# Altium PCB CPU_CARD.pcbdoc (part 10 of 10) (continued)
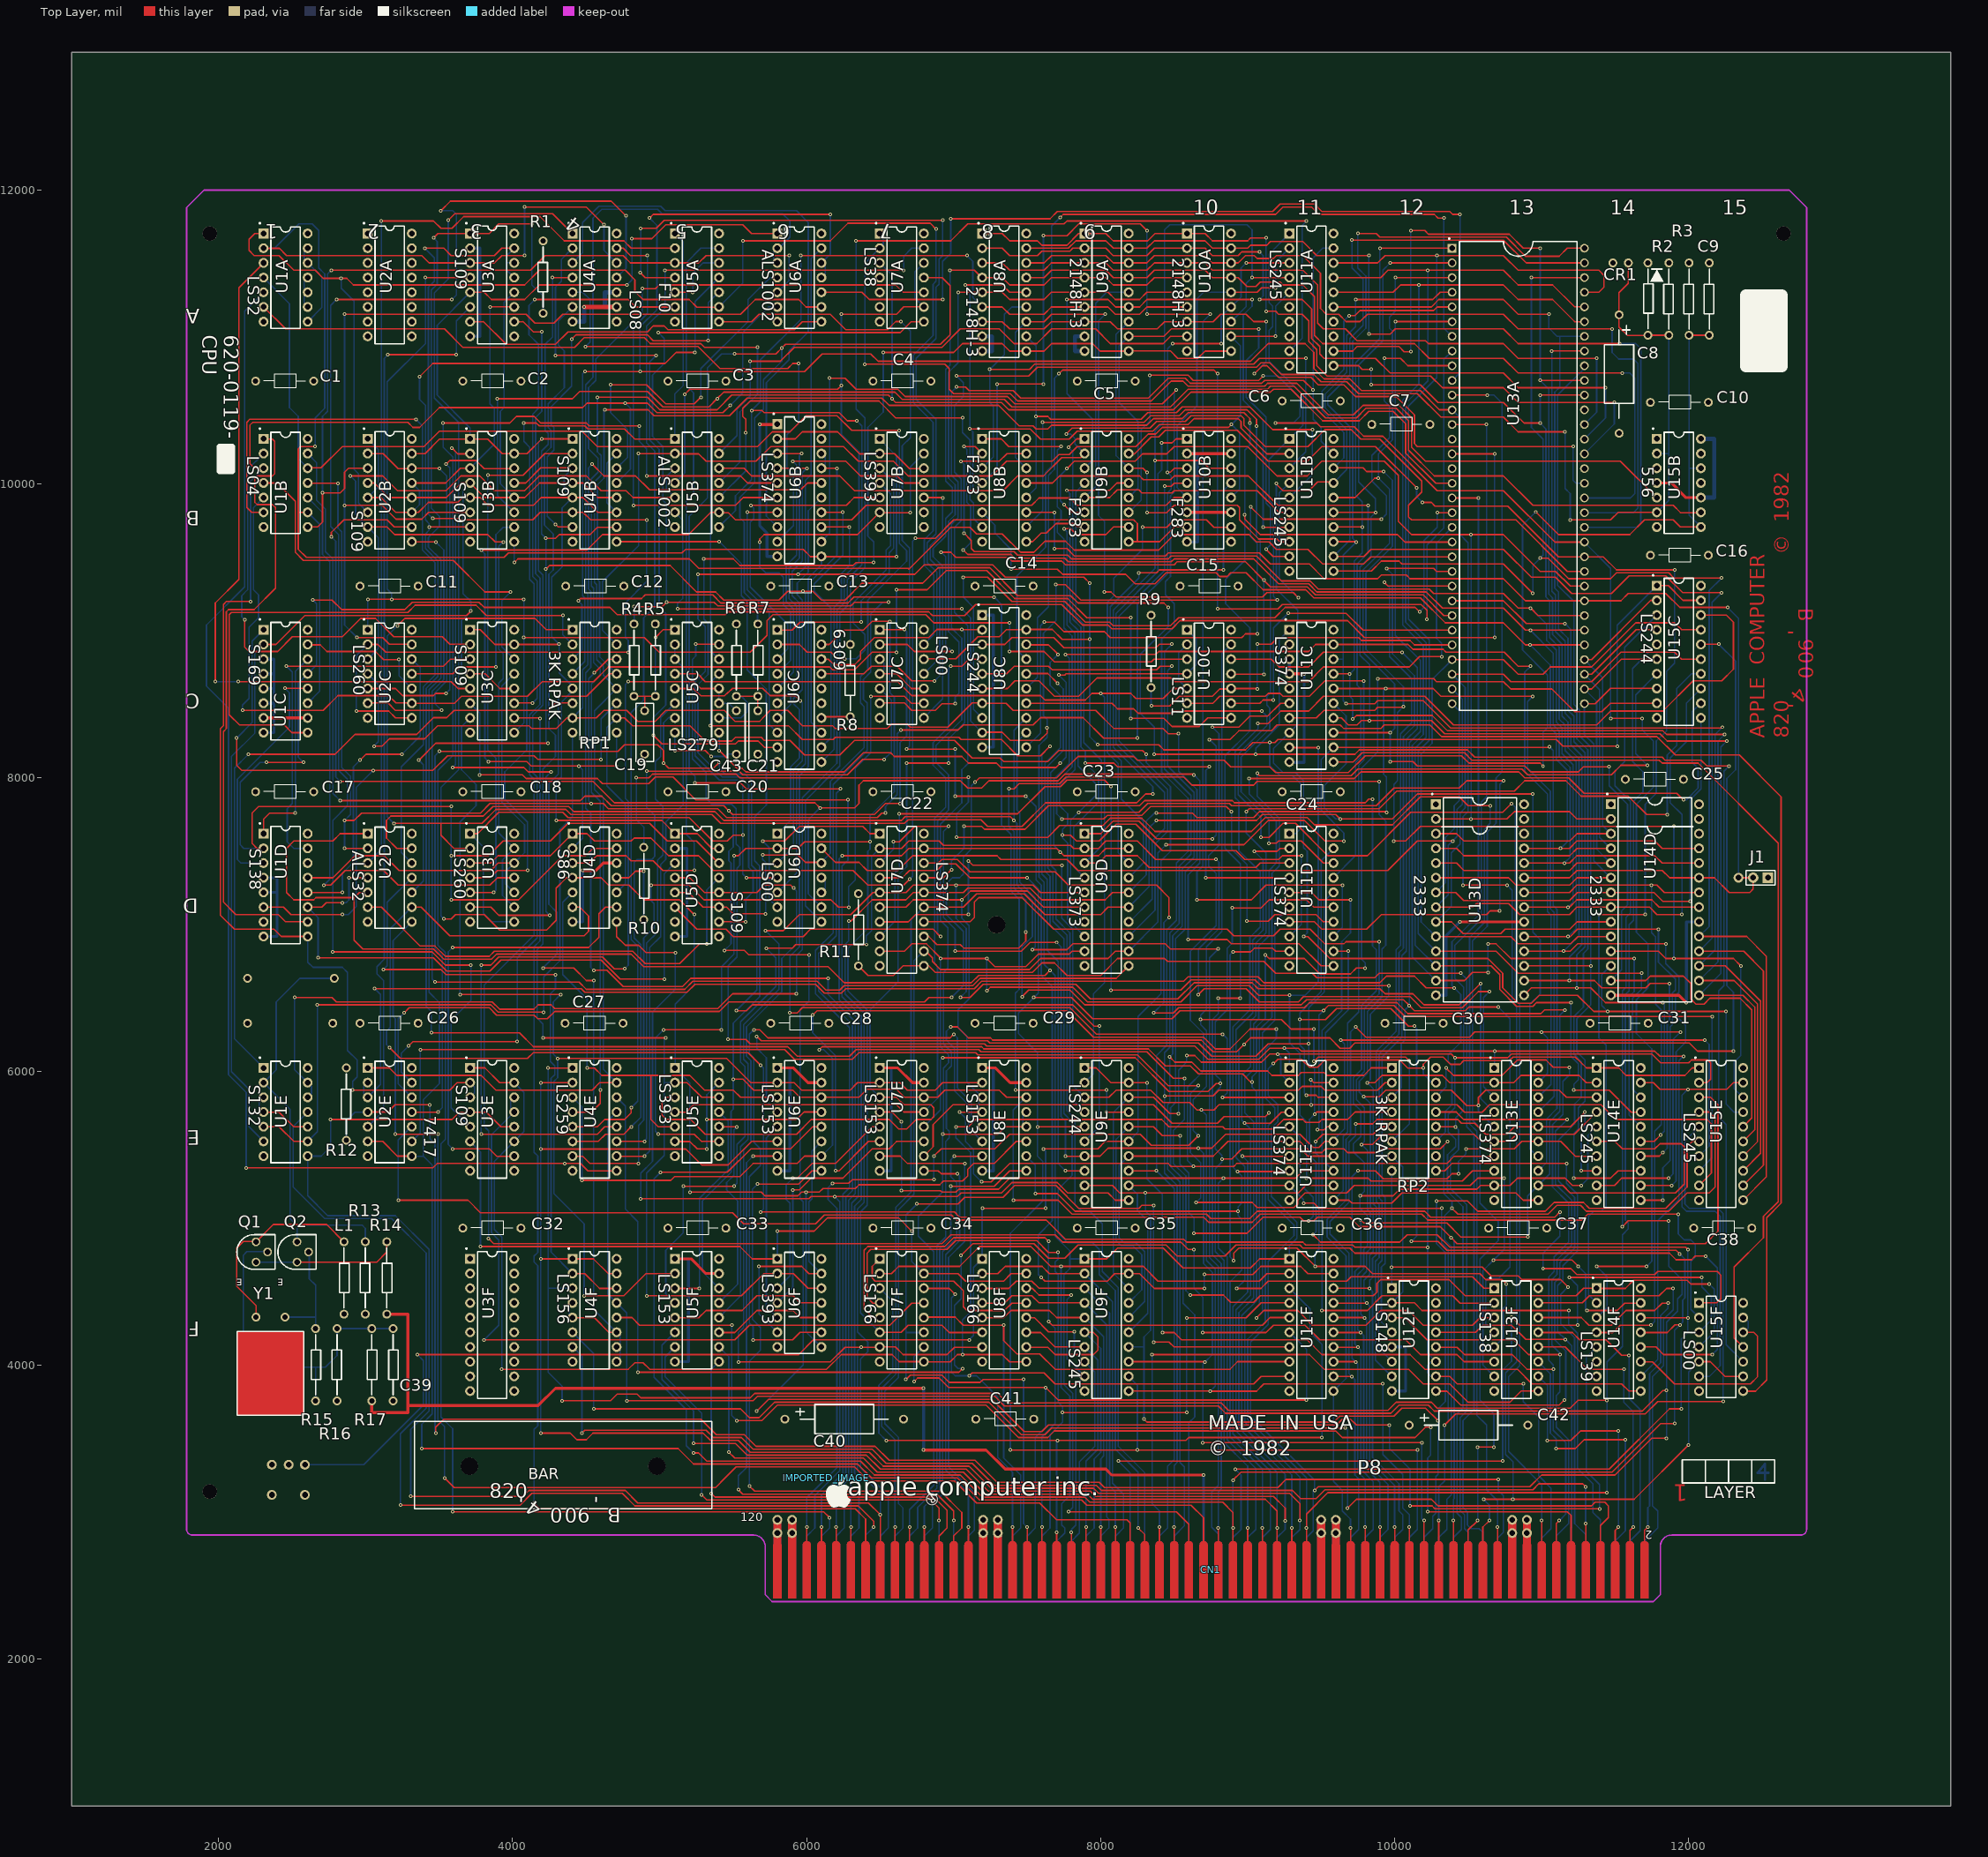
[diagram p0: Top Layer view]
## Nets (pads, with @x,y where several pads share a name; then routed paths per layer and width w, separated by ;. In a path a pad name is that pad's centre, name@x,y a point inside that pad or via, vN(x,y) a via of type N, cw(c..) or ccw(c..) an arc to the next point about the centre after c; other vN are vias at no path point) (continued)
  Bottom Layer w10: U11B.12@9585.62,9504.29 9696.7,9615.4 9696.7,10387.2 9546.7,10537.2 9546.7,10587.2 9696.7,10737.2 9696.7,10987.2 9786.7,11077.2 9786.7,11392.2 9711.7,11467.2 v1(9711.7,11657.2) ; U14D.18@12073.02,6817.29 12161.7,6905.97 12161.7,9192.2 v1(12226.7,9257.2)
UD7: U11B.11 U13A.62 U14D.19 U15E.11 | length 10116
  Top Layer w10: U11B.11@9585.62,9404.29 9843.8,9404.3 9911.7,9472.2 10031.7,9472.2 10051.7,9452.2 10741.7,9452.2 v1(10941.7,9252.2) ; v1(10931.7,11402.2) 11292.44,11402.2 U13A.62@11292.71,11401.93 ; v1(10991.7,9492.2) 11046.7,9492.2 11186.7,9352.2 11471.7,9352.2 11511.7,9392.2 11866.7,9392.2 11901.7,9357.2 v1(12226.7,9357.2) ; U14D.19@12073.02,6917.29 12396.7,6917.29 12531.7,6782.29 12531.7,5281.48 U15E.11@12373.02,5122.8
  Bottom Layer w10: v1(10931.7,11402.2) 10931.7,10382.2 11011.7,10302.2 11011.7,9512.2 v1(10991.7,9492.2) 10941.7,9442.2 v1(10941.7,9252.2) ; U14D.19@12073.02,6917.29 12141.7,6985.97 12141.7,9272.2 v1(12226.7,9357.2)
UD8: U11A.18 U13A.61 U13D.11 U14E.18 | length 9453.2
  Top Layer w10: U11A.18@9585.62,11501.92 9886.42,11501.92 9936.7,11552.2 v1(10288.9,11552.2) 10741.7,11552.2 10841.7,11452.2 11391.7,11452.2 11426.7,11417.2 11426.7,11337.2 11391.7,11302.2 U13A.61@11292.71,11301.93 ; U13D.11@10282.47,6817.2 10691.7,6817.2 10841.7,6667.2 v1(11681.7,6667.2)
  Bottom Layer w10: U13D.11@10282.47,6817.2 10161.7,6938 10161.7,8177.2 10236.7,8252.2 10236.7,8937.2 10096.7,9077.2 10096.7,10527.2 10288.9,10719.4 v1(10288.9,11552.2) ; U14E.18@11676.17,5822.8 11621.7,5877.3 11621.7,6497.2 11681.7,6557.2 v1(11681.7,6667.2)
UD9: U11A.17 U13A.60 U13D.12 U14E.17 | length 9023.2
  Top Layer w10: U11A.17@9585.62,11401.92 9906.7,11402.2 9956.7,11452.2 v1(10227.88,11452.2) 10741.7,11452.2 10841.7,11352.2 11076.7,11352.2 11226.7,11202.2 U13A.60@11292.71,11201.93 ; U13D.12@10282.47,6717.2 10656.7,6717.2 10716.7,6657.2 10716.7,6557.2 10831.7,6442.2 10941.7,6442.2 10966.7,6467.2 v1(11201.7,6467.2) ; v1(11221.7,5872.2) 11461.7,5872.2 11611.7,5722.2 U14E.17@11676.17,5722.8
  Bottom Layer w10: v1(10227.88,11452.2) 10227.9,10698.4 10076.7,10547.2 10076.7,9057.2 10216.7,8917.2 10216.7,8272.2 10141.7,8197.2 10141.7,6858 U13D.12@10282.47,6717.2 ; v1(11201.7,6467.2) 11201.7,6102.2 11251.7,6052.2 11251.7,5942.2 11221.7,5912.2 v1(11221.7,5872.2)
UD10: U11A.16 U13A.59 U13D.13 U14E.16 | length 9567.8
  Top Layer w10: U11A.16@9585.62,11301.92 9991.7,11302.2 10041.7,11352.2 10741.7,11352.2 10841.7,11252.2 11076.7,11252.2 11226.7,11102.2 U13A.59@11292.71,11101.93 ; U13D.13@10282.47,6617.2 10476.7,6617.2 10531.7,6672.2 v1(10636.7,6672.2) ; v1(10636.7,6867.2) 10691.7,6867.2 10791.7,6767.2 v1(11631.7,6767.2)
  Bottom Layer w10: v1(10166.7,11352.2) 10166.7,10677.2 10056.7,10567.2 10056.7,9037.2 10196.7,8897.2 10196.7,8292.2 10121.7,8217.2 10121.7,6778 U13D.13@10282.47,6617.2 ; v1(10636.7,6672.2) v1(10636.7,6867.2) ; v1(11631.7,6767.2) 11631.7,6542.2 11596.7,6507.2 11596.7,5702.3 U14E.16@11676.17,5622.8
UD11: U11A.15 U13A.58 U13D.15 U14E.15 | length 8518.6
  Top Layer w10: U11A.15@9585.62,11201.92 10251.4,11201.9 10301.7,11252.2 10741.7,11252.2 10841.7,11152.2 v1(11051.7,11152.2) ; U13D.15@10882.47,6517.2 10932.47,6567.2 v1(11241.7,6567.2) 11336.7,6567.2 11436.7,6467.2 v1(11826.7,6467.2) ; U14E.15@11676.17,5522.8 11767.3,5522.8 v1(11811.7,5567.2)
  Bottom Layer w10: v1(11051.7,11152.2) 11051.7,11057.2 11106.7,11002.2 11106.7,11001.93 U13A.58@11292.71,11001.93 ; 11125.4,11001.9 11125.4,10655.9 11091.7,10622.2 11091.7,9287.2 11116.7,9262.2 11116.7,9012.2 11181.7,8947.2 11181.7,8457.2 11221.7,8417.2 11221.7,8242.2 11296.7,8167.2 11296.7,6847.2 11241.7,6792.2 v1(11241.7,6567.2) ; v1(11811.7,5567.2) 11836.7,5592.2 11836.7,6457.2 v1(11826.7,6467.2)
UD12: U13A.57 U13D.16 U14E.14 | length 6977.9
  Top Layer w10: U13D.16@10882.47,6617.2 v1(11191.7,6617.2) 11361.7,6617.2 11411.7,6567.2 11711.7,6567.2 11741.7,6597.2 v1(11871.7,6597.2) ; v1(11071.7,10902.2) 11292.44,10902.2 U13A.57@11292.71,10901.93 ; U14E.14@11676.17,5422.8 11802.3,5422.8 v1(11826.7,5447.2)
  Bottom Layer w10: v1(11071.7,10902.2) 11071.7,9267.2 11095.6,9243.3 11095.6,8993.3 11161.7,8927.2 11161.7,8437.2 11201.7,8397.2 11201.7,8222.2 11276.7,8147.2 11276.7,6862.2 11191.7,6777.2 v1(11191.7,6617.2) ; v1(11826.7,5447.2) 11856.7,5477.2 11856.7,6327.2 11871.7,6342.2 v1(11871.7,6597.2)
UD13: U13A.56 U13D.17 U14E.13 | length 6720.5
  Top Layer w10: U13D.17@10882.47,6717.2 v1(11336.7,6717.2) ; v1(11221.7,5272.2) 11471.7,5272.2 11521.7,5322.2 U14E.13@11676.17,5322.8
  Bottom Layer w10: v1(11221.7,5272.2) 11221.7,5577.2 11251.7,5607.2 11251.7,5752.2 11296.7,5797.2 11296.7,6077.2 11241.7,6132.2 11241.7,6357.2 11336.7,6452.2 v1(11336.7,6717.2) 11336.7,8207.2 11261.7,8282.2 11261.7,8457.2 11221.7,8497.2 11221.7,9197.2 11111.7,9307.2 11111.7,10602.2 11292.7,10783.2 U13A.56@11292.71,10801.93
UD14: U11A.12 U13A.55 U13D.18 U14E.12 | length 10503.9
  Top Layer w10: U11A.12@9585.62,10901.92 9716.4,10901.9 9746.7,10932.2 10031.7,10932.2 10066.7,10897.2 v1(10111.7,10897.2) ; v1(10111.7,11722.2) 10206.7,11722.2 10231.7,11697.2 10781.7,11697.2 10876.7,11602.2 v1(10991.7,11602.2) ; U13D.18@10882.47,6817.2 v1(11151.7,6817.2) 11196.7,6817.2 11246.7,6867.2 v1(11846.7,6867.2) ; v1(10991.7,10702.2) 11292.4,10702.2 U13A.55@11292.71,10701.93 ; U14E.12@11676.17,5222.8 11676.8,5222.2 v1(11886.7,5222.2)
  Bottom Layer w10: v1(10111.7,10897.2) v1(10111.7,11722.2) ; v1(10991.7,11602.2) v1(10991.7,10702.2) 11051.7,10642.2 11051.7,9247.2 11076.7,9222.2 11076.7,8972.2 11141.7,8907.2 11141.7,8417.2 11181.7,8377.2 11181.7,8202.2 11256.7,8127.2 11256.7,6922.2 v1(11151.7,6817.2) ; v1(11846.7,6867.2) 11846.7,6732.2 11936.7,6642.2 11936.7,6537.2 11911.7,6512.2 11911.7,6382.2 11981.7,6312.2 11981.7,6197.2 11916.7,6132.2 11916.7,5252.2 v1(11886.7,5222.2)
UD15: U11A.11 U13A.54 U13D.19 U14E.11 | length 8752.8
  Top Layer w10: U11A.11@9585.62,10801.92 9756.7,10802.2 9781.7,10777.2 v1(9841.7,10777.2) ; v1(9841.7,10672.2) 10176.7,10672.2 10296.7,10552.2 10741.7,10552.2 10881.7,10412.2 v1(10991.7,10412.2) ; U13D.19@10882.47,6917.2 v1(11181.7,6917.2) 11196.7,6917.2 11246.7,6967.2 v1(11796.7,6967.2) ; v1(10991.7,10602.2) 11292.44,10602.2 U13A.54@11292.71,10601.93 ; U14E.11@11676.17,5122.8 v1(11826.7,5122.2)
  Bottom Layer w10: v1(9841.7,10672.2) v1(9841.7,10777.2) ; v1(10991.7,10602.2) v1(10991.7,10412.2) 11031.7,10372.2 11031.7,9227.2 11056.7,9202.2 11056.7,8952.2 11121.7,8887.2 11121.7,8397.2 11161.7,8357.2 11161.7,8182.2 11236.7,8107.2 11236.7,6972.2 v1(11181.7,6917.2) ; v1(11796.7,6967.2) 11796.7,6742.2 11911.7,6627.2 11911.7,6552.2 11891.7,6532.2 11891.7,6317.2 11876.7,6302.2 11876.7,5392.2 11826.7,5342.2 v1(11826.7,5122.2)
VA1: U6F.3 U7E.5 | length 1550.4
  Top Layer w10: v1(5906.7,5272.2) 5936.7,5272.2 6036.7,5372.2 6196.7,5372.2 6446.7,5622.2 U7E.5@6498.23,5622.81
  Bottom Layer w10: U6F.3@5801.38,4523.59 5803.1,4523.6 5886.7,4607.2 5886.7,5102.2 5861.7,5127.2 5861.7,5227.2 v1(5906.7,5272.2)
VA2: U6F.4 U7E.11 | length 1840.4
  Top Layer w10: v1(5906.7,5192.2) 5951.7,5192.2 6031.7,5272.2 6246.7,5272.2 6446.7,5472.2 6561.7,5472.2 6611.7,5522.2 U7E.11@6798.23,5522.81
  Bottom Layer w10: U6F.4@5801.38,4423.59 5906.7,4528.92 v1(5906.7,5192.2)
VA3: U6E.5 U6F.5 | length 1361.1
  Bottom Layer w10: U6F.5@5801.38,4323.59 5726.7,4398.3 5726.7,5548.1 U6E.5@5801.38,5622.81
VA4: U6E.11 U6F.6 U6F.13 | length 1916.2
  Top Layer w10: v1(5676.7,4672.2) 5966.7,4672.2 6016.7,4622.2 6099.99,4622.2 U6F.13@6101.38,4623.59
  Bottom Layer w10: v1(5676.7,4672.2) 5676.7,4348.27 U6F.6@5801.38,4223.59 ; U6F.13@6101.38,4623.59 6100.3,4623.6 6016.7,4707.2 6016.7,5112.2 6036.7,5132.2 6036.7,5458.1 U6E.11@6101.38,5522.81
VA5: U5F.5 U6F.11 | length 1079.7
  Top Layer w10: U5F.5@5104.53,4323.6 5105.93,4322.2 5266.7,4322.2 5316.7,4372.2 5561.7,4372.2 5661.7,4472.2 5908.09,4472.2 5956.7,4423.59 U6F.11@6101.38,4423.59
VA6: U5F.11 U6F.10 | length 779.7
  Top Layer w10: U5F.11@5404.53,4223.6 5405.93,4222.2 5511.7,4222.2 5661.7,4372.2 5906.7,4372.2 5955.31,4323.59 U6F.10@6101.38,4323.59
VA7: U6F.9 U8E.5 | length 4783.5
  Top Layer w10: v1(5636.7,4172.2) 5905.31,4172.2 5956.7,4223.6 U6F.9@6101.38,4223.59 ; v1(5641.7,6282.2) 5681.7,6282.2 5736.7,6227.2 6976.7,6227.2 v1(7001.7,6252.2)
  Bottom Layer w10: v1(5636.7,4172.2) 5636.7,4262.2 5611.7,4287.2 5611.7,5282.2 5686.7,5357.2 5686.7,5472.2 5641.7,5517.2 5641.7,6092.2 5611.7,6122.2 5611.7,6252.2 v1(5641.7,6282.2) ; v1(7001.7,6252.2) 7026.7,6227.2 7026.7,5887.2 7121.7,5792.2 7121.7,5696.2 U8E.5@7195.08,5622.81
VA8: U4A.1 U4D.4 U5E.1 U6F.8 U8E.11 | length 13545.1
  Top Layer w10: v1(3531.7,7037.2) 3581.7,7037.2 3611.7,7067.2 3806.7,7067.2 3911.7,6962.2 4231.7,6962.2 4296.7,7027.2 4296.7,7247.2 4366.7,7317.2 U4D.4@4407.68,7317.29 4601.7,7317.2 4651.7,7267.2 4791.7,7267.2 4891.7,7167.2 5136.7,7167.2 v1(5236.7,7067.2) ; v1(3561.7,11792.2) 3606.7,11837.2 4272.4,11837.2 U4A.1@4407.68,11701.92 ; v1(5206.7,5177.2) 5691.7,5177.2 5716.7,5152.2 5941.7,5152.2 5966.7,5177.2 v1(5996.7,5177.2) 6086.7,5177.2 6111.7,5202.2 6331.7,5202.2 6356.7,5227.2 6906.7,5227.2 6931.7,5252.2 7061.7,5252.2 7096.7,5287.2 7096.7,5332.2 7136.7,5372.2 7276.7,5372.2 7427.3,5522.8 U8E.11@7495.08,5522.81
  Bottom Layer w10: v1(3531.7,7037.2) 3511.7,7057.2 3511.7,7932.2 3631.7,8052.2 3631.7,10417.2 3466.7,10582.2 3466.7,11297.2 3561.7,11392.2 v1(3561.7,11792.2) ; U5E.1@5104.53,6022.8 5106.7,6025 5106.7,6457.2 5236.7,6587.2 v1(5236.7,7067.2) ; U5E.1@5104.53,6022.8 5206.7,5920.63 v1(5206.7,5177.2) ; v1(5996.7,5177.2) 5996.7,4227.2 6100.31,4123.59 U6F.8@6101.38,4123.59
VA9: U5E.3 U6C.18 U7E.3 U8C.2 | length 7548.7
  Top Layer w10: U5E.3@5104.53,5822.8 5047.3,5822.8 5016.7,5792.2 5016.7,5702.2 5046.7,5672.2 5211.7,5672.2 5311.7,5572.2 5931.7,5572.2 6031.7,5672.2 6561.7,5672.2 6626.7,5607.2 6681.7,5607.2 6746.7,5672.2 6846.7,5672.2 6866.7,5692.2 6866.7,5752.2 6846.7,5772.2 6661.7,5772.2 6611.7,5822.2 U7E.3@6498.23,5822.81 ; U6C.18@6101.38,8805.08 6148.82,8805.08 6186.7,8767.2 6326.7,8767.2 6366.7,8807.2 6366.7,8857.2 6461.7,8952.2 6831.7,8952.2 6886.7,9007.2 v1(7056.7,9007.2) 7058.82,9005.08 U8C.2@7195.07,9005.08 ; v1(6681.7,8097.2) v1(6966.7,8097.2)
  Bottom Layer w10: U7E.3@6498.23,5822.81 6431.7,5889.3 6431.7,6417.2 6621.7,6607.2 6621.7,7332.2 6681.7,7392.2 v1(6681.7,8097.2) ; v1(6966.7,8097.2) 6966.7,8262.2 7076.7,8372.2 7076.7,8987.2 v1(7056.7,9007.2)
VA9B: CN1.70 U8C.18 | length 7029.9
  Top Layer w10: U8C.18@7495.07,8905.08 7497.95,8902.2 7646.7,8902.2 v1(7711.7,8837.2) ; v1(8256.7,2892.2) 8301.84,2847.06 CN1.70@8301.8,2607.22
  Bottom Layer w10: v1(7711.7,8837.2) 7656.7,8782.2 7656.7,8627.2 7726.7,8557.2 7726.7,8202.2 7621.7,8097.2 7621.7,7362.2 7656.7,7327.2 7656.7,6997.2 7751.7,6902.2 7751.7,5712.2 7806.7,5657.2 7806.7,5292.2 7711.7,5197.2 7711.7,4897.2 7776.9,4832 7946.7,4832 7991.7,4787 7991.7,4617.2 8101.7,4507.2 8101.7,3427.2 8256.7,3272.2 v1(8256.7,2892.2)
VA10: U5E.4 U7E.13 U8C.4 | length 5165.1
  Top Layer w10: U5E.4@5104.53,5722.8 5181.7,5722.2 5231.7,5772.2 6611.7,5772.2 6662.3,5722.8 U7E.13@6798.23,5722.81 ; v1(6981.7,8757.2) 7056.7,8757.2 7104.58,8805.08 U8C.4@7195.07,8805.08
  Bottom Layer w10: U7E.13@6798.23,5722.81 6891.7,5816.3 6891.7,6712.2 6871.7,6732.2 6871.7,7722.2 6946.7,7797.2 6946.7,7997.2 6861.7,8082.2 6861.7,8237.2 6966.7,8342.2 6966.7,8742.2 v1(6981.7,8757.2)
VA10B: CN1.69 U8C.16 | length 6640.2
  Top Layer w10: U8C.16@7495.07,8705.08 7497.19,8707.2 7641.7,8707.2 v1(7706.7,8642.2)
  Bottom Layer w10: v1(7706.7,8642.2) 7746.7,8602.2 7746.7,8182.2 7641.7,8077.2 7641.7,7382.2 7676.7,7347.2 7676.7,7022.2 7771.7,6927.2 7771.7,5732.2 7826.7,5677.2 7826.7,5092.2 7876.8,5042.1 7931.8,5042.1 8011.7,4962.2 8011.7,4637.2 8121.7,4527.2 8121.7,3447.2 8301.84,3267.06 CN1.69@8301.8,2607.23
VA11: U4D.5 U5E.5 U6E.3 | length 3152
  Top Layer w10: v1(4506.7,6022.2) 4556.7,6022.2 4606.7,5972.2 5206.7,5972.2 5306.7,5872.2 5501.7,5872.2 5551.1,5822.8 U6E.3@5801.38,5822.81 ; 4943.16,5972.2 4941.7,5970.75 4941.7,5672.2 4991.1,5622.8 U5E.5@5104.53,5622.8
  Bottom Layer w10: U4D.5@4407.68,7217.29 4341.7,7151.3 4341.7,6657.2 4506.7,6492.2 v1(4506.7,6022.2)
VA12: U5E.6 U5E.13 U6E.13 | length 1523.7
  Top Layer w10: U5E.6@5104.53,5522.8 5105.13,5522.2 5206.7,5522.2 5256.7,5472.2 v1(5321.7,5472.2) ; v1(5321.7,5672.2) 5931.7,5672.2 5982.3,5722.8 U6E.13@6101.38,5722.81
  Bottom Layer w10: v1(5321.7,5472.2) v1(5321.7,5672.2) 5321.7,5839.97 U5E.13@5404.53,5922.8
VA13: U5E.11 U5F.3 | length 1474.9
  Top Layer w10: U5F.3@5104.53,4523.6 5105.93,4522.2 v1(5271.7,4522.2)
  Bottom Layer w10: v1(5271.7,4522.2) 5271.7,5135.1 5466.7,5330.1 5466.7,5660.63 U5E.11@5404.53,5722.8
VA14: U5E.10 U5F.13 | length 1433.8
  Top Layer w10: U5E.10@5404.53,5622.8 5405.1,5622.2 v1(5526.7,5622.2)
  Bottom Layer w10: U5F.13@5404.53,4423.6 5531.7,4550.8 5531.7,5117.2 5456.7,5192.2 5456.7,5242.2 5506.7,5292.2 5506.7,5602.2 v1(5526.7,5622.2)
VID: CN1.115 U4D.8 U9E.11 | length 8381.4
  Top Layer w10: U4D.8@4707.68,7017.29 4706.7,7016.31 4706.7,6917.2 4766.7,6857.2 4856.7,6857.2 4906.7,6807.2 v1(5106.7,6807.2) ; v1(4871.7,5132.2) 6016.7,5132.2 6031.7,5147.2 v1(6191.7,5147.2) 7026.7,5147.2 7051.7,5172.2 7326.7,5172.2 7396.7,5242.2 7706.7,5242.2 7776.7,5172.2 8051.7,5172.2 8101.1,5122.8 U9E.11@8191.92,5122.8
  Bottom Layer w10: v1(4871.7,5132.2) 4871.7,5307.2 4951.7,5387.2 4951.7,6402.2 5106.7,6557.2 v1(5106.7,6807.2) ; 6001.59,2607.2 6001.59,2837.09 6056.7,2892.2 6056.7,3112.2 6226.7,3282.2 6226.7,5112.2 v1(6191.7,5147.2)
VIDEO: U1A.2 U1B.9 U1C.11 U3A.3 U4A.12 U6B.11 U7B.1 U11E.3 | length 19388.3
  Top Layer w10: U1A.2@2305.3,11600.9 2413,11600.9 2461.7,11552.2 3381.7,11552.2 3431.7,11502.2 U3A.3@3710.83,11501.93 ; 2541.7,9803.22 2604.2,9803.22 U1B.9@2605.32,9804.29 ; v1(2656.7,10252.2) 2556.7,10252.2 2541.7,10237.2 2541.7,9552.2 2596.7,9497.2 3941.7,9497.2 3971.7,9527.2 5151.7,9527.2 5176.7,9552.2 5976.7,9552.2 6026.7,9502.2 6101.4,9502.2 6216.7,9502.2 v1(6611.7,9502.2) ; U3A.3@3710.83,11501.93 3876.7,11502.2 3926.7,11552.2 v1(4081.7,11552.2) ; v1(4081.7,11882.2) 4501.7,11882.2 v1(4621.7,11762.2) ; v1(5886.7,6397.2) 5936.7,6397.2 5971.7,6432.2 7791.7,6432.2 7971.7,6252.2 v1(8831.7,6252.2) ; v1(8831.7,5822.2) 9285,5822.2 U11E.3@9285.62,5822.8
  Bottom Layer w10: U1A.2@2305.3,11600.9 2381.7,11600.9 2381.7,11602.2 2546.7,11767.2 2636.7,11767.2 2681.7,11722.2 2681.7,11467.2 2721.7,11427.2 2721.7,10512.2 2656.7,10447.2 v1(2656.7,10252.2) ; U1C.11@2605.3,8505 2686.7,8586.4 2686.7,9722.9 U1B.9@2605.32,9804.29 ; v1(4081.7,11552.2) v1(4081.7,11882.2) ; v1(4621.7,11762.2) 4621.7,11586.88 U4A.12@4707.68,11500.9 ; v1(5886.7,6397.2) 5886.7,6782.2 5951.7,6847.2 5951.7,8012.2 6011.7,8072.2 6011.7,9357.2 6101.4,9446.9 U6B.11@6101.4,9501.9 ; U7B.1@6498.2,10300.7 6611.7,10187.2 v1(6611.7,9502.2) ; v1(8831.7,5822.2) 8861.7,5852.2 8861.7,6222.2 v1(8831.7,6252.2)
pads on no net: U2A.1 U2A.2 U2A.3 U2A.4 U2A.5 U2A.6 U2A.7 U2A.8 U2A.9 U2A.10 U2A.11 U2A.12 U2A.13 U2A.14 U2A.15 U2A.16 U3A.9 U3E.7 U3E.9 U3F.1 U3F.2 U3F.3 U3F.4 U3F.5 U3F.6 U3F.7 U3F.8 U3F.9 U3F.10 U3F.11 U3F.12 U3F.13 U3F.14 U3F.15 U3F.16 U3F.17 U3F.18 U3F.19 U3F.20 U4A.8 U5D.7 U5D.9 U5E.8 U6B.19 U7B.8 U7B.9 U10B.9 U11A.6 U11A.7 U11A.8 U11A.13 U11A.14 U11C.2 U11C.5 U12F.14 U12F.15 U14F.6 U14F.7 U15B.1 U15B.3 U15B.11 U15B.13
copper on no net: | length 258.1
  Bottom Layer w15.75: 12521.7,3222.2 12521.7,3327.2 12471.7,3267.2 12546.7,3267.2

## Polygon pours and split planes (outlines as drawn)
GND on Mid-Layer 2 (solid): 11761.7,2872.2 11761.7,2802.2 5751.7,2802.2 5751.7,2937.2 1831.7,2937.2 1831.7,3032.2 2046.7,3032.2 2046.7,3247.2 1831.7,3247.2 1831.7,11597.2 2041.7,11597.2 2041.7,11807.2 1831.7,11807.2 1831.7,11857.2 1921.7,11947.2 12651.7,11947.2 12756.7,11842.2 12756.7,11807.2 12546.7,11807.2 12546.7,11597.2 12756.7,11597.2 12756.7,2937.2 11761.7,2937.2
+5V on Mid-Layer 1 (solid): 1831.7,11807.2 1831.7,11857.2 1921.7,11947.2 2101.7,11947.2 3446.7,11947.2 6066.7,11947.2 7751.7,11947.2 12491.7,11947.2 12646.7,11947.2 12651.7,11942.2 12756.7,11837.2 12756.7,11807.2 12546.7,11807.2 12546.7,11637.2 12546.7,11597.2 12756.7,11597.2 12756.7,10507.2 12756.7,9522.2 12756.7,8747.2 12756.7,5787.2 12756.7,2937.2 11761.7,2937.2 11761.7,2802.2 5751.7,2802.2 5751.7,2937.2 1831.7,2937.2 1831.7,3032.2 2046.7,3032.2 2046.7,3247.2 1831.7,3247.2 1831.7,5852.2 1831.7,6522.2 1831.7,7082.2 1831.7,7647.2 1831.7,8147.2 1831.7,11597.2 2041.7,11597.2 2041.7,11647.2 2041.7,11807.2 1841.7,11807.2

## Keep-outs
Keep-Out Layer:
  lines w10: 1781.7,2883.05 ccw(c1821.07,2883.05) 1821.07,2843.68 ; 12765.93,2843.68 ccw(c12765.93,2883.05) 12805.3,2883.05
  lines w10 net S$102278: 5639.96,2843.68 cw(c5639.96,2764.94) 5718.7,2764.94 ; 11809.79,2764.94 cw(c11888.53,2764.94) 11888.53,2843.68

## Other copper
Top Layer:
  text "©  1982" at 12716.7,9517.2 h169.29 r90
  text "B" at 12716.7,9152.2 h169.29 r270
  text "-" at 12721.7,9057.2 h169.29 r179
  text "9" at 12716.7,8942.2 h169.29 r270
  text "0" at 12716.7,8857.2 h169.29 r270
  text "0" at 12716.7,8757.2 h169.29 r270
  text "4" at 12716.7,8642.2 h169.29 r232
  text "-" at 12721.7,8557.2 h169.29 r179
  text "APPLE  COMPUTER" at 12551.7,8267.2 h169.29 r90
  text "820" at 12716.7,8267.2 h169.29 r90
  text "1" at 11996.7,3227.2 h196.85 r180
Mid-Layer 1:
  text "2" at 12141.7,3227.2 h196.85 r180
Mid-Layer 2:
  text "3" at 12296.7,3227.2 h196.85 r180

## Silkscreen, mask and mechanical layers (free items; w line width, h text height)
Top Overlay:
  lines w10: 3331.7,3022.2 5356.7,3022.2 5356.7,3617.2 3331.7,3617.2 3331.7,3022.2 ; 11958.85,3198 12588.77,3198 12588.77,3355.48 11958.85,3355.48 11958.85,3198
  lines w10 net S$1012803: 10322.47,7663.6 10531.7,7663.6 ccw(c10581.7,7663.6) 10631.7,7663.6 ; 11513.02,7665.16 11722.25,7665.16 ccw(c11772.25,7665.16) 11822.25,7665.16
  lines w10 net S$1012807: 10631.7,7663.6 10842.47,7663.6 ; 11822.25,7665.16 12033.02,7665.16
  lines w10 net S$957588: 12116.32,3198.01 12116.32,3355.49
  lines w10 net S$957592: 12273.8,3198.01 12273.8,3355.49
  lines w10 net S$957596: 12431.28,3198.01 12431.28,3355.49
  lines w39.37 net S$1013226: 2006.7,10082.2 2091.7,10082.2 2091.7,10252.2 2006.7,10252.2 2006.7,10082.2
  lines w39.37 net S$1013241: 2027.42,10082.2 2027.42,10252.2
  lines w39.37 net S$1013245: 2059.18,10082.2 2059.18,10252.2
  lines w78.74 net S$1034884: 12391.7,11282.2 12391.7,10797.2 12636.7,10797.2 12636.7,11282.2
  lines w78.74 net S$1034888: 12391.7,11282.2 12636.7,11282.2
  lines w78.74 net S$1034892: 12461.38,10797.2 12461.38,11282.2
  lines w78.74 net S$1034896: 12529.71,10797.2 12529.71,11282.2
  lines w78.74 net S$1034900: 12580.54,10797.2 12580.54,11282.2
  text "1" at 2401.7,11797.2 h169.29 r180
  text "2" at 3096.7,11797.2 h169.29 r180
  text "3" at 3796.7,11797.2 h169.29 r180
  text "4" at 4496.7,11797.2 h169.29 r142
  text "5" at 5191.7,11797.2 h169.29 r180
  text "6" at 5886.7,11797.2 h169.29 r180
  text "7" at 6586.7,11797.2 h169.29 r178
  text "8" at 7276.7,11797.2 h169.29 r180
  text "9" at 7971.7,11797.2 h169.29 r180
  text "10" at 8631.7,11797.2 h169.29
  text "11" at 9336.7,11797.2 h169.29
  text "12" at 10031.7,11797.2 h169.29 r1
  text "13" at 10781.7,11797.2 h169.29
  text "14" at 11466.7,11797.2 h169.29
  text "15" at 12231.7,11797.2 h169.29
  text "LS38" at 6366.7,11612.2 h137.79 r270
  text "S109" at 3581.7,11602.2 h137.79 r270
  text "ALS1002" at 5671.7,11592.2 h137.79 r270
  text "LS245" at 9126.7,11592.2 h137.79 r270
  text "2148H-3" at 7766.7,11537.2 h137.79 r270
  text "2148H-3" at 8461.7,11537.2 h137.79 r270
  text "LS32" at 2171.7,11412.2 h137.79 r270
  text "F10" at 4971.7,11367.2 h137.79 r269
  text "2148H-3" at 7061.7,11342.2 h137.79 r270
  text "LS08" at 4771.7,11317.2 h137.79 r270
  text "A" at 1871.7,11222.2 h169.29 r180
  text "CPU" at 1856.7,11012.2 h169.29 r270
  text "620-0119-" at 2001.7,11012.2 h169.29 r270
  text "LS393" at 6366.7,10217.2 h137.79 r270
  text "LS374" at 5666.7,10212.2 h137.79 r270
  text "F283" at 7066.7,10197.2 h137.79 r270
  text "S109" at 4276.7,10192.2 h137.79 r270
  text "LS04" at 2166.7,10187.2 h137.79 r270
  text "ALS1002" at 4966.7,10187.2 h137.79 r270
  text "556" at 11656.7,10117.2 h137.79 r270
  text "S109" at 3576.7,10012.2 h137.79 r270
  text "LS245" at 9156.7,9912.2 h137.79 r270
  text "F283" at 7761.7,9907.2 h137.79 r270
  text "F283" at 8456.7,9902.2 h137.79 r270
  text "B" at 1871.7,9847.2 h169.29 r180
  text "S109" at 2876.7,9817.2 h137.79 r270
  text "LS244" at 11651.7,9117.2 h137.79 r270
  text "6309" at 6156.7,9012.2 h137.79 r270
  text "LS00" at 6856.7,8967.2 h137.79 r269
  text "LS374" at 9161.7,8962.2 h137.79 r270
  text "LS244" at 7066.7,8917.2 h137.79 r270
  text "S169" at 2176.7,8907.2 h137.79 r270
  text "LS260" at 2886.7,8902.2 h137.79 r270
  text "S109" at 3581.7,8902.2 h137.79 r270
  text "3K RPAK" at 4221.7,8862.2 h137.79 r270
  text "LS11" at 8461.7,8687.2 h137.79 r269
  text "C" at 1871.7,8602.2 h169.29 r181
  text "LS279" at 5056.7,8157.2 h137.79
  text "S138" at 2181.7,7517.2 h137.79 r270
  text "LS260" at 3576.7,7517.2 h137.79 r270
  text "S86" at 4281.7,7512.2 h137.79 r270
  text "ALS32" at 2881.7,7502.2 h137.79 r270
  text "LS00" at 5671.7,7427.2 h137.79 r269
  text "LS374" at 6856.7,7427.2 h137.79 r270
  text "2333" at 10106.7,7337.2 h137.79 r270
  text "2333" at 11306.7,7337.2 h137.79 r270
  text "LS373" at 7761.7,7327.2 h137.79 r270
  text "LS374" at 9156.7,7327.2 h137.79 r270
  text "S109" at 5461.7,7222.2 h137.79 r270
  text "D" at 1861.7,7207.2 h169.29 r180
  text "LS393" at 4971.7,5982.2 h137.79 r270
  text "LS259" at 4271.7,5912.2 h137.79 r270
  text "LS153" at 5671.7,5912.2 h137.79 r270
  text "LS153" at 6371.7,5912.2 h137.79 r270
  text "LS153" at 7061.7,5912.2 h137.79 r270
  text "LS244" at 7761.7,5912.2 h137.79 r270
  text "S132" at 2176.7,5907.2 h137.79 r270
  text "S109" at 3586.7,5907.2 h137.79 r270
  text "3K RPAK" at 9846.7,5837.2 h137.79 r270
  text "LS245" at 11941.7,5717.2 h137.79 r270
  text "LS374" at 10551.7,5712.2 h137.79 r270
  text "LS245" at 11241.7,5712.2 h137.79 r270
  text "7417" at 3371.7,5697.2 h137.79 r270
  text "E" at 1871.7,5632.2 h169.29 r181
  text "LS374" at 9151.7,5632.2 h137.79 r270
  text "LS156" at 4276.7,4622.2 h137.79 r270
  text "LS153" at 4966.7,4622.2 h137.79 r270
  text "LS393" at 5671.7,4622.2 h137.79 r270
  text "LS166" at 6366.7,4622.2 h137.79 r270
  text "LS166" at 7066.7,4622.2 h137.79 r270
  text "E" at 2161.7,4602.2 h78.74 r180
  text "E" at 2441.7,4602.2 h78.74 r180
  text "LS148" at 9846.7,4427.2 h137.79 r270
  text "LS138" at 10551.7,4427.2 h137.79 r270
  text "F" at 1871.7,4327.2 h169.29 r180
  text "LS00" at 11941.7,4237.2 h137.79 r269
  text "LS139" at 11241.7,4232.2 h137.79 r270
  text "LS245" at 7756.7,4177.2 h137.79 r270
  text "MADE  IN  USA" at 8731.7,3527.2 h169.29
  text "©  1982" at 8731.7,3352.2 h169.29
  text "P8" at 9746.7,3222.2 h169.29
  text "BAR" at 4106.7,3197.2 h127.95
  text "®" at 6851.7,3172.2 h137.79 r222
  text "apple computer inc." at 6280.84,3071.81 h212.6
  text "LAYER" at 12106.7,3067.2 h137.79
  text "820" at 3841.7,3062.2 h169.29
  text "4" at 4226.7,3062.2 h169.29 r142
  text "0" at 4341.7,3062.2 h169.29 r180
  text "0" at 4441.7,3062.2 h169.29 r180
  text "9" at 4526.7,3062.2 h169.29 r180
  text "B" at 4736.7,3062.2 h169.29 r180
  text "-" at 4131.7,3057.2 h169.29 r89
  text "-" at 4641.7,3057.2 h169.29 r89
  text "120" at 5551.7,2917.2 h98.42
  text "2" at 11756.7,2892.2 h98.42 r180
Top Solder:
  region: 11961.7,3352.2 11961.7,3202.2 12421.7,3202.2 12586.7,3202.2 12586.7,3352.2
Bottom Solder:
  region: 11961.7,3352.2 12586.7,3352.2 12586.7,3202.2 11961.7,3202.2
Document:
  region net PLNCLR: 11966.7,3347.2 12106.7,3347.2 12106.7,3207.2 11966.7,3207.2
  region net PLNCLR: 12281.7,3347.2 12281.7,3207.2 12581.7,3207.2 12581.7,3347.2
  region net PLNCLR: 11966.7,3347.2 11966.7,3207.2 12266.7,3207.2 12266.7,3347.2
  region net PLNCLR: 12441.7,3347.2 12581.7,3347.2 12581.7,3207.2 12441.7,3207.2